# Altium PCB SmartDoor.PcbDoc
Units mm, origin at the board's own origin, x right, y up, seen from the top; angles counter-clockwise.
Board outline 149.99 x 97.41 mm, 2 copper layers (Top Layer, Bottom Layer), stack 1.57 mm thick; 54 components, 48 nets, 194 pads, 14 vias.
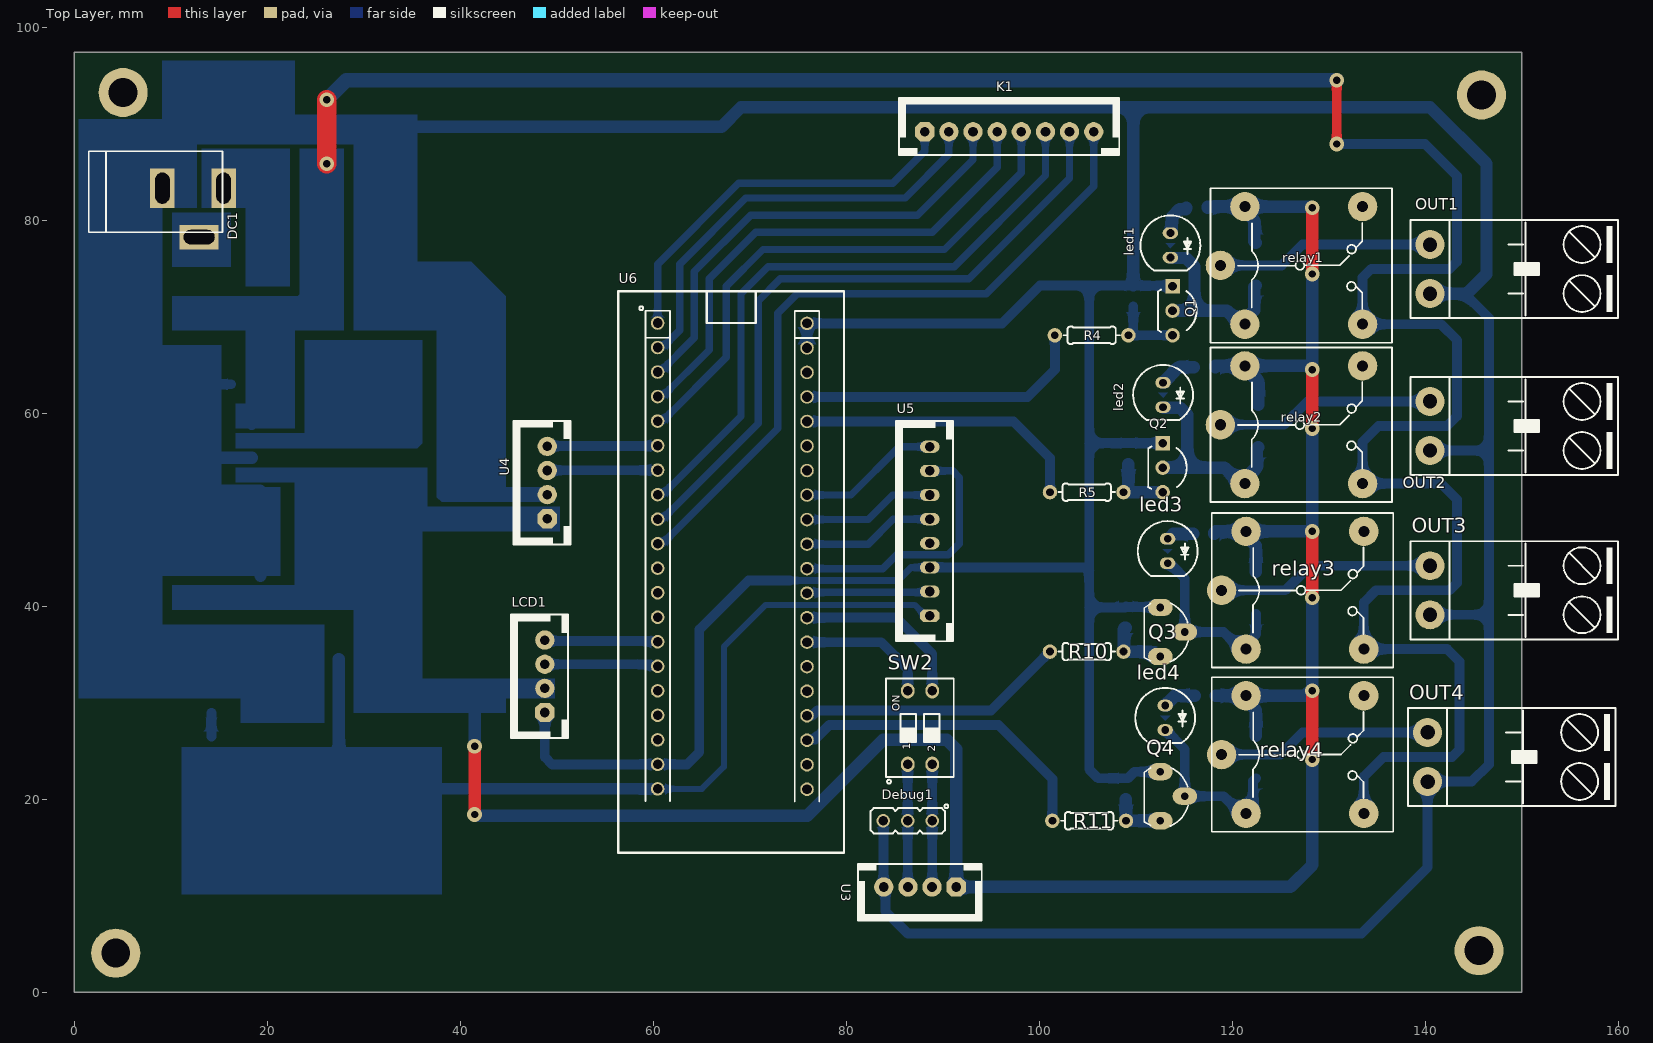
[diagram p0: Top Layer view]
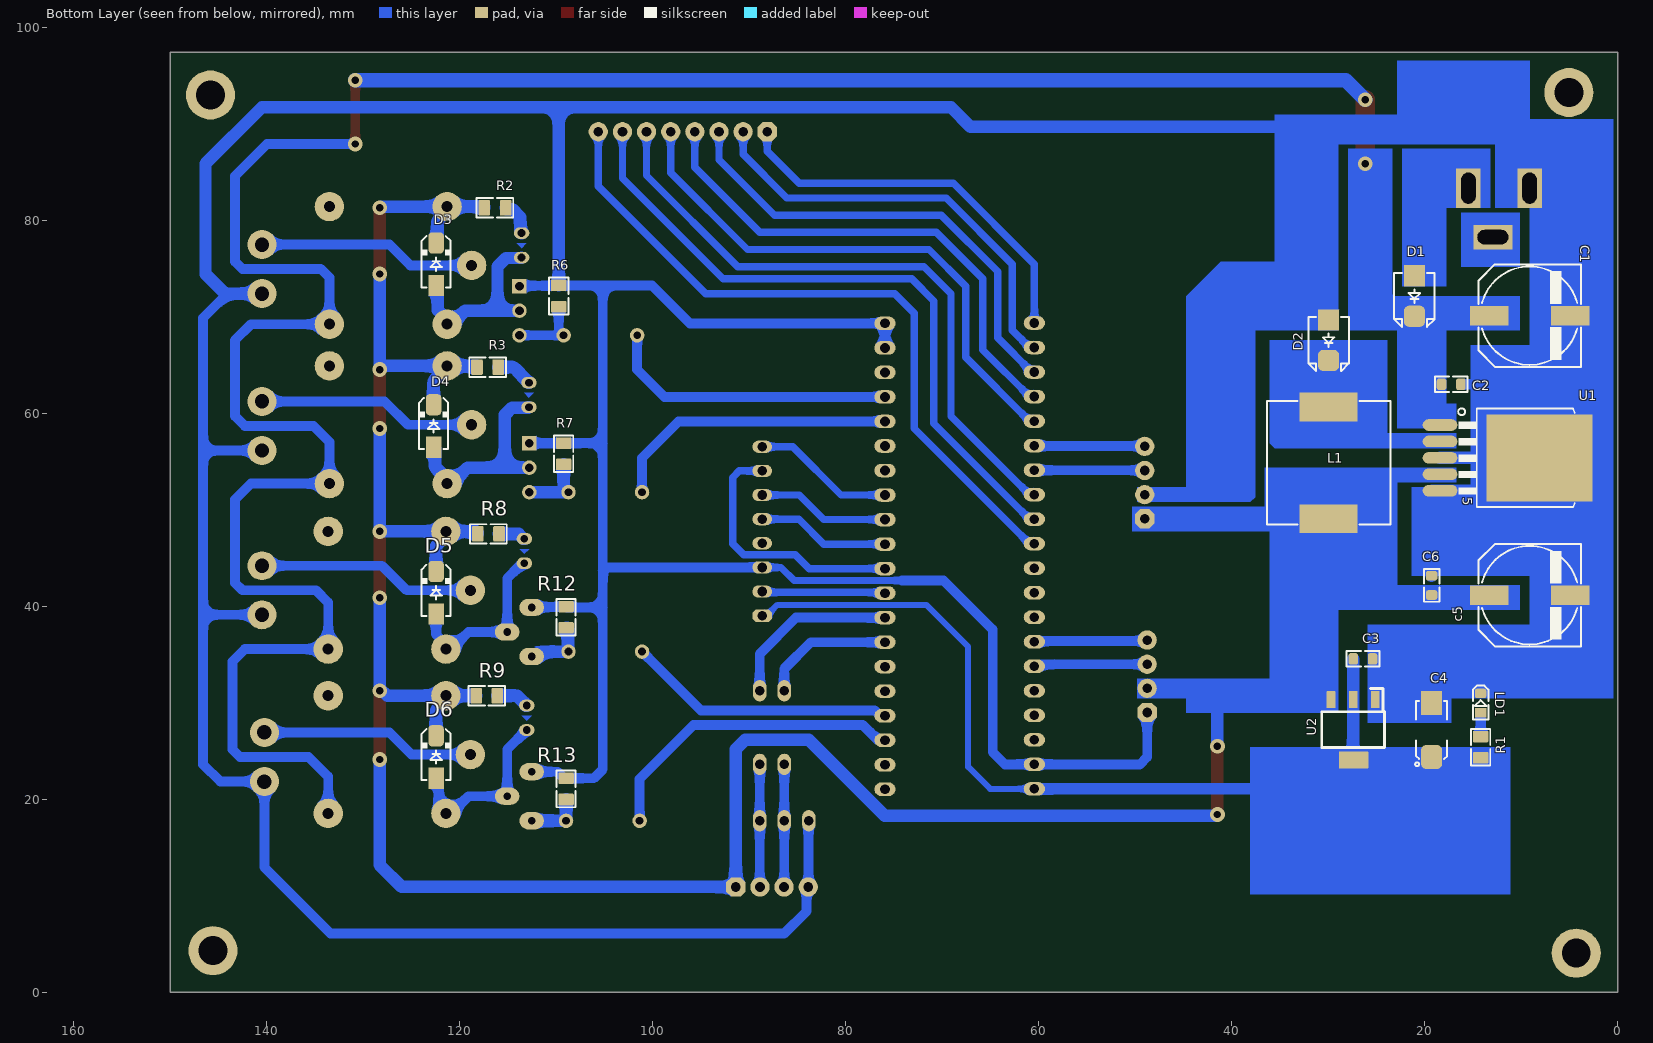
[diagram p1: Bottom Layer view, seen from below]

## Layer stack, top to bottom
Top Solder: solder mask 0.0102, Solder Resist, Dk 3.5
Top Layer: signal copper 0.0356
Dielectric 1: core 1.4986, Core-043, Dk 4.3
Bottom Layer: signal copper 0.0356
Bottom Solder: solder mask 0.0102, Solder Resist, Dk 3.5

## Board outline
0,0 0,97.409 149.987,97.409 149.987,0

## Design rules (kind name [scope] priority, off if disabled: settings)
Clearance [All] p1: gap=0.152 ignorepadtopadclearanceinfootprint=FALSE
PolygonConnect [All] p1: connectstyle=Relief reliefconductorwidth=0.254 reliefentries=4 polygonreliefangle="90 Angle" airgapwidth=0.254
RoomDefinition SmartDoor [InComponentClass('SmartDoor')] p1: confinementstyle=ConfineIn formatcopy=TRUE lockcomponents=FALSE outline 151.13,1.778 175.26,1.778 175.26,62.992 151.13,62.992
RoutingVias [All] p1: holewidth=0.762 width=1.524 viastyle="Through Hole" minholewidth=0.762 minwidth=1.524 maxholewidth=0.762 maxwidth=1.524
SolderMaskExpansion [All] p1: expansion=0.102 istentingtop=FALSE
Width [All] p1: maxlimit=2.54 minlimit=0.508 preferedwidth=0.762
30 further rules are at their usual default settings.

## Components (designator, comment, footprint, x,y, rotation, side; value= is the part's Value field where it differs from the comment)
C1 "1000uF-50V-DIP" C_EL_10_12 9.144,70.104 r180 bottom value=1000uF/50V
C2 "100nF-50V-126" C0805S 17.272,62.992 r180 bottom value=100nF
C3 "0.1uF" C0805S 26.416,34.544 r0 bottom value=100nF
C4 "Tanta-47uF-16V-2917" 6032 19.304,27.184 r90 bottom value=47uF/16V
c5 "10uf" C_EL_10_9 9.144,41.148 r180 bottom
C6 "104" C0805S 19.304,42.164 r270 bottom value=0.1uF
D1 "SS34B" D_SMB 21.082,72.136 r270 bottom
D2 "SS34B" D_SMB 29.972,67.564 r270 bottom
D3 "diode" D_SMA 122.428,75.438 r90 bottom
D4 "diode" D_SMA 122.682,58.674 r90 bottom
D5 "diode" D_SMA 122.428,41.402 r90 bottom
D6 "diode" D_SMA 122.428,24.384 r90 bottom
DC1 "Jack DC5.5x2.5MM DC5525" DC-IN 12.319,80.772 r0 top value="Jac DC"
Debug1 "Header 3" HDR_M_1X3 86.36,17.78 r180 top
K1 "keypad4x4" XH_8#1 96.874,89.154 r0 top
L1 "100uF" L_12 29.972,54.864 r270 bottom value="150 mH"
LCD1 "LCDi2C" XH_4 48.768,32.746 r90 top
LD1 "led 0805 green" LED0805GRN 14.224,29.972 r90 bottom
led1 "led" "led 5mm red dip" 113.538,77.47 r270 top
led2 "led" "led 5mm red dip" 112.776,61.976 r270 top
led3 "led" "led 5mm red dip" 113.251,45.802 r270 top
led4 "led" "led 5mm red dip" 112.997,28.53 r270 top
OUT1 "con2" MSTBF_2 140.462,74.93 r270 top
OUT2 "con2" MSTBF_2 140.462,58.674 r270 top
OUT3 "con2" MSTBF_2 140.462,41.656 r270 top
OUT4 "con2" MSTBF_2 140.208,24.384 r270 top
Q1 "C1815" TO-92W 113.792,70.612 r180 top
Q2 "C1815" TO-92W 112.776,54.356 r180 top
Q3 "C1815" TO-92B 112.522,37.338 r270 top
Q4 "C1815" TO-92B 112.522,20.32 r270 top
R1 "330R" R0805E 14.224,25.4 r270 bottom value="R1/4W - 1K"
R2 "1k" R0805E 116.332,81.28 r180 bottom value="R1/4W - 1K"
R3 "1k" R0805E 117.094,64.77 r180 bottom value="R1/4W - 1K"
R4 "200" R0125W_AX03 105.41,68.072 r180 top value="R1/4W - 1K"
R5 "200" R0125W_AX03 104.902,51.816 r180 top value="R1/4W - 1K"
R6 "10K" R0805E 109.728,72.136 r90 bottom value="R1/4W - 1K"
R7 "10K" R0805E 109.22,55.796 r90 bottom value="R1/4W - 1K"
R8 "1k" R0805E 117.01,47.498 r180 bottom value="R1/4W - 1K"
R9 "1k" R0805E 117.178,30.734 r180 bottom value="R1/4W - 1K"
R10 "200" R0125W_AX03 104.902,35.306 r180 top value="R1/4W - 1K"
R11 "200" R0125W_AX03 105.156,17.78 r180 top value="R1/4W - 1K"
R12 "10K" R0805E 108.966,38.862 r90 bottom value="R1/4W - 1K"
R13 "10K" R0805E 108.966,21.082 r90 bottom value="R1/4W - 1K"
relay1 "relay2" RL_SPDT_10A 118.745,75.311 r0 top
relay2 "relay2" RL_SPDT_10A 118.745,58.801 r0 top
relay3 "relay2" RL_SPDT_10A 118.872,41.656 r0 top
relay4 "relay2" RL_SPDT_10A 118.872,24.638 r0 top
SW2 "" SW2_DIP 87.63,27.432 r90 top
U1 "LM2576 5v" "TO-263-5L, D2PAK-5, DDPAK, FMG170_5_S1000" 18.428,55.372 r270 bottom
U2 "AMS1117 3.3V" ASM1117-3V3 27.432,26.924 r0 bottom
U3 "SIM900A" XH_4 87.63,10.922 r180 top
U4 "AS608" XH_4 49.022,52.812 r90 top
U5 "Module RC522" XH_8#2 88.646,47.772 r90 top
U6 "KIT_stm32f103c8t6" KIT_stm32f103 60.452,69.342 r0 top

## Footprints (in the part's own frame and the unit in brackets; to place one, negate y for a bottom-side part, rotate by r counter-clockwise, add the part's x,y. Pads: shape width x height; smd on the part's side, far side on the other; paste and mask are expansions set on the pad)
6032 [mm] "CAPACITOR, TAN C, TAN F, TAN U, TAN L, 6032P, 6.0X3.2mm"
  rrect50% 2.5x2.2 smd: 1(-2.8,0)
  rect 2.5x2.2 smd: 2(2.8,0)
  Top Layer pour cut-out: -2.032,1.6 2.032,1.6 2.032,-1.6 -2.032,-1.6
  silkscreen extent -3.75,-1.6 3,1.7, body extent -3.15,-1.75 3.15,1.75, height 2.8
ASM1117-3V3 [mm] "pin to pin 2.29mm"
  rrect10% 0.9x1.75 smd mask+0.1: 1(-2.29,-3.403) 2(0,-3.403) 3(2.29,-3.403)
  rrect10% 3.05x1.75 smd mask+0.1: 2(-0.05,2.85)
  silkscreen extent -3.25,-4.54 3.25,1.55, body extent -3.25,-3.7 3.25,3.3, height 1.85
C0805S [mm] "CHIP Capacitor, 2.0X1.3mm, 0805, soldered"
  rrect50% 1x1.2 smd mask+0.075: 1(-1,0) 2(1,0)
  Top Layer pour cut-out: -0.5,0.8 0.5,0.8 0.5,-0.8 -0.5,-0.8
  silkscreen extent -1.7,-0.8 1.7,0.8, body extent -1.4,-0.63 1.4,0.63, height 0.8
C_EL_10_9 [mm] "Electrolytic Cap, 10.3mm, L: 8.7mm"
  rect 4x2 smd: 1(-4.2,0) 2(4.2,0)
  Top Layer pour cut-out: -3.556,5.08 -3.556,-5.08 3.556,-5.08 3.556,5.08
  silkscreen extent -5.3,-5.3 5.3,5.3, body extent -5.5,-5.15 5.5,5.15
C_EL_10_12 [mm] "Electrolytic Cap, 10.3mm, L: 12.4mm"
  rect 4x2 smd: 1(-4.2,0) 2(4.2,0)
  Top Layer pour cut-out: -3.556,5.08 -3.556,-5.08 3.556,-5.08 3.556,5.08
  silkscreen extent -5.3,-5.3 5.3,5.3, body extent -5.5,-5.15 5.5,5.15, height 12.45
D_SMA [mm] "SMA Molded Diode, 2-Leads, Body 4.3x2.7mm, SOD-128"
  rect 2.2x1.6 smd: 1(-2.2,0)
  rrect50% 2.2x1.6 smd: 2(2.2,0)
  silkscreen extent -2.4,-1.5 2.9,1.5, body extent -2.75,-1.4 2.75,1.4, height 2.6
D_SMB [mm] "SMB Molded Diode, 2-Leads, Body 4.3x3.5mm"
  rect 2.2x2.2 smd: 1(-2.1,0)
  rrect50% 2.2x2.2 smd: 2(2.1,0)
  Top Layer pour cut-out: -1.524,2.1 -1.524,-2.1 1.524,-2.1 1.524,2.1
  silkscreen extent -2.4,-2.1 3.2,2.1, body extent -2.75,-1.95 2.75,1.95, height 2.45
DC-IN [mm]
  rect 2.54x4.064 hole 1.5 slot 3.2 at 90 deg: 1(3.175,2.54) 2(-3.175,2.54)
  rect 4.064x2.54 hole 1.5 slot 3.2 at 0 deg: 3(0.635,-2.54)
  silkscreen extent -10.79,-2.03 3.05,6.35, body extent -10.42,-2.67 3.4,6.84, height 11.02
HDR_M_1X3 [mm] "Connector; Header; 3 Position"
  round 1.4 / inner round 1.4 / far side oval 1.4x2.2 hole 1 mask+0.1: 1(-2.54,0) 2(0,0) 3(2.54,0)
  silkscreen extent -4.2,-1.7 3.84,1.3, body extent -3.78,-1.27 3.84,1.27, height 8.54
KIT_stm32f103 [mm]
  round 1.4 / inner round 1.4 / far side oval 2.2x1.4 hole 1: 1(0,0) 2(0,-2.54) 3(0,-5.08) 4(0,-7.62) 5(0,-10.16) 6(0,-12.7) 7(0,-15.24) 8(0,-17.78) 9(0,-20.32) 10(0,-22.86) 11(0,-25.4) 12(0,-27.94) 13(0,-30.48) 14(0,-33.02) 15(0,-35.56) 16(0,-38.1) 17(0,-40.64) 18(0,-43.18) 19(0,-45.72) 20(0,-48.26) 21(15.474,-48.302) 22(15.474,-45.762) 23(15.474,-43.222) 24(15.474,-40.682) 25(15.474,-38.142) 26(15.474,-35.602) 27(15.474,-33.062) 28(15.474,-30.522) 29(15.474,-27.982) 30(15.474,-25.442) 31(15.474,-22.902) 32(15.474,-20.362) 33(15.474,-17.822) 34(15.474,-15.282) 35(15.474,-12.742) 36(15.474,-10.202) 37(15.474,-7.662) 38(15.474,-5.122) 39(15.474,-2.582) 40(15.474,-0.042)
  silkscreen extent -4.06,-54.86 19.3,3.3, body extent -3.88,-54.75 19.12,3.05, height 19.26
L_12 [mm] "INDUCTOR, 13.5x12.5mm, DR125, CDRH127, D128C 931AS"
  rect 3x6 smd: 1(-5.8,0) 2(5.8,0)
  Top Layer pour cut-out: -4.699,6.096 4.953,6.096 4.953,-6.096 -4.699,-6.096
  silkscreen extent -6.4,-6.4 6.4,6.4, body extent -6.16,-6.15 6.16,6.15, height 8.16
LED0805GRN [mm] "LED SMD 0805, GREEN"
  rect 1x1.2 smd mask+0.075: 1(-1,0)
  rrect50% 1x1.2 smd mask+0.075: 2(1,0)
  Top Layer pour cut-out: -0.5,0.8 0.5,0.8 0.5,-0.8 -0.5,-0.8
  silkscreen extent -1.7,-0.8 1.8,0.8, body extent -1,-0.63 1,0.63, height 0.7
"led 5mm red dip" [mm]
  oval 1.2x1.6 hole 0.8: 1(-1.188,0.033) 2(1.352,0.033)
  Bottom Layer region: -0.118,0.533 -0.118,-0.467 0.382,0.033
  silkscreen extent -3.02,-3.07 2.68,3.13, body extent -2.92,-2.97 2.58,3.03, height 9.14
MSTBF_2 [mm] "PHOENIX MSTB 2, 5-G, 5.08mm pitch, 2pin"
  round 3 hole 1.5: 1(-2.54,0) 2(2.54,0)
  silkscreen extent -5.08,-2.03 5.08,19.47, body extent -5,-2 5,19.2, height 15
R0125W_AX03 [mm] "RESISTOR 1/8 WATT, AXIAL0.3 INCH SPACING"
  round 1.5 hole 0.8: 1(-3.81,0) 2(3.81,0)
  silkscreen extent -2.92,-0.9 2.92,0.9, body extent -4.16,-0.85 4.16,0.85, height 1.85
R0805E [mm] "CHIP RESISTOR 1/8 WATT ,2.0X1.3mm, 0805, EXPANDED PAD"
  rrect20% 1.2x1.6 smd mask+0.1: 1(-1.1,0) 2(1.1,0)
  Top Layer pour cut-out: -0.5,0.8 0.5,0.8 0.5,-0.8 -0.5,-0.8
  silkscreen extent -1.9,-1 1.9,1, body extent -1.15,-0.67 1.15,0.67, height 0.76
RL_SPDT_10A [mil] "Relay SPDT, 5 pin, 10A,W 650mil, L 800mil, H 800mil"
  round 120 hole 45: 1(0,0) 2(580,240) 3(580,-240) 4(100,-240) 5(100,240)
  silkscreen extent -40,-315 700,315, body extent -40,-315 700,315, height 630
SW2_DIP [mm] "SWITCH DIP 2POS, THD, 2.54mm, SD02"
  oval 1.6x1.4 / inner round 1.4 / far side oval 2.2x1.4 hole 1: 1(-3.81,1.27) 2(-3.81,-1.27) 3(3.81,-1.27) 4(3.81,1.27)
  silkscreen extent -5.8,-3.5 5.1,3.5, body extent -4.7,-3.45 4.7,3.45, height 5
TO-92B [mil] "TO-92"
  oval 70x100 hole 32: 1(-100,0) 2(0,100) 3(100,0)
  silkscreen extent -117,-65 121,114
TO-92W [mm] "TO, Flat Index; 3 In-Line, Axial Leads (Wide Pitch); Body Dia. 4.7mm; Leads 0.56 x 0.51 mm (max)"
  rect 1.5x1.5 hole 0.9: 1(0,-2.54)
  round 1.5 hole 0.9: 2(0,0) 3(0,2.54)
  silkscreen extent -2.49,-2.19 1.51,2.19, body extent -2.57,-2.79 1.56,2.79, height 8.33
"TO-263-5L, D2PAK-5, DDPAK, FMG170_5_S1000" [mm] "TO-263-5L, D2PAK-5, DDPAK, FMG170_5_S1000"
  oval 1.2x3.6 smd: 1(-3.404,0) 2(-1.702,0) 3(0,0) 4(1.702,0) 5(3.404,0)
  rect 9x11 smd: 6(0,10.3)
  silkscreen extent -5.14,1.88 5.1,13.96, body extent -5.08,-0.84 5.08,13.39, height 4.87
XH_4 [mm] "PW10-xx-M, JST-BxB-XH-A pitch: 2.5mm"
  oct 2x2 hole 1: 1(-3.75,0)
  round 2 hole 1: 2(-1.25,0) 3(1.25,0) 4(3.75,0)
  silkscreen extent -6.4,-2.4 6.4,3.5, body extent -6.25,-2.3 6.25,3.4, height 7
XH_8#1 [mm] "PW10-xx-M, JST-BxB-XH-A pitch: 2.5mm"
  oct 2x2 hole 1: 1(-8.75,0)
  round 2 hole 1: 2(-6.25,0) 3(-3.75,0) 4(-1.25,0) 5(1.25,0) 6(3.75,0) 7(6.25,0) 8(8.75,0)
  silkscreen extent -11.4,-2.4 11.4,3.5, body extent -11.3,-2.3 11.3,3.4, height 7
XH_8#2 [mm] "PW10-xx-M, JST-BxB-XH-A pitch: 2.5mm"
  oct 1.27x2.032 hole 1: 1(-8.75,0)
  oval 1.27x2.032 hole 1: 2(-6.25,0) 3(-3.75,0) 4(-1.25,0) 5(1.25,0) 6(3.75,0) 7(6.25,0) 8(8.75,0)
  silkscreen extent -11.4,-2.4 11.4,3.5, body extent -11.3,-2.3 11.3,3.4, height 7

## Part data
C1 C4: library part "Cap Pol1", "Polarized Capacitor (Radial)", LatestRevisionDate=17-Jul-2002, LatestRevisionNote="Re-released for DXP Platform.", PackageReference=RB7.6-15, Published=8-Jun-2000, Publisher="Altium Limited"
C2: library part Cap, "Capacitor", LatestRevisionDate=17-Jul-2002, LatestRevisionNote="Re-released for DXP Platform.", PackageReference=RAD-0.3, Published=8-Jun-2000, Publisher="Altium Limited"
C3: library part C0402, "Capacitor, Ceramic Chip, 16V, X7R, 10%", Manufacturer="Samsung Electromechanics", PartNumber=CL05B104KO5NNNC, Area=2800, ComponentHeight=0.022, ComponentLink1Description="AEO Datasheet Link", PackageReference=0402, SymbolVersion="07/31/2009 12:17:27"
c5: library part radial
C6: library part "Cap 104_SMD", "Capacitor (Semiconductor SIM Model)", LatestRevisionDate=17-Jul-2002, LatestRevisionNote="Re-released for DXP Platform.", PackageReference=C1206, Published=8-Jun-2000, Publisher="Altium Limited"
D1 D2: library part diode
DC1: library part DCIN, "Jac DC input"
Debug1: "Header, 3-Pin", LatestRevisionDate=17-Jul-2002, LatestRevisionNote="Re-released for DXP Platform.", Publisher="Altium Limited"
K1: library part keypad
L1: library part L1, "Inductor"
LD1: library part led
R1 R2 R3 R4 R5 R6 R7 R8 R9 R10 R11 R12 R13: library part R, "Resistor 1/4W"
SW2: library part SWDIP2, "WS-DITV 2.54 mm small compact THT flat actuator with top tape", Manufacturer="Wurth Elektronik", Part No.=418127160902, ComponentLink1 Description=Manufacturer, ComponentLink1URL=http://www.we-online.com, ComponentLink2 Description=Datasheet, ComponentLink2URL=http://katalog.we-online.de/em/datasheet/4181271609xx.pdf, Created by="Baojun Chen", Created Date=Dec.2015, Pole=02
U1: library part LM2576T-5.0, "SIMPLE SWITCHER; 3A Step-Down Voltage Regulator", DigiKeyPartNumber=LM2576T-5.0-ND, Manufacturer="National Semiconductor", PackageTopMarking="NSUZXYTT*LM2576T*-5.0 P+", PowerWise=N, Code_JEDEC=TO-220-AB, ComponentLink1Description="LM2576 Datasheet", ComponentLink1URL=http://www.national.com/ds/LM/LM2576.pdf, ComponentLink2Description="LM2576 Web Page", ComponentLink2URL=http://www.national.com/pf/LM/LM2576.html, ComponentLink3Description="T05A Package Page", ComponentLink3URL=http://www.national.com/packaging/folders/t05a.html, CompType=Switcher, DatasheetVersion=Aug-2004, FirstPublished=4-Dec-2008, PackageDescription="TO-220, Molded, 5 Lead, Straight", PackageReference=T05A, PackageVersion="revJ, Jan-1992", PartNumber=LM2576T-5.0, PinCount=5, Publisher="Altium Limited", RoHS=O
U2: library part AMS1117
U4: library part R307

## Free pads (board coordinates)
  round 5.08 hole 3: 4(5.08,93.218) 5(4.318,4.064) 6(145.796,92.964) 7(145.542,4.318)

## Via types
v1: diameter 1.524, hole 0.762, Top Layer to Bottom Layer, 14 vias

## Nets (pads, with @x,y where several pads share a name; then routed paths per layer and width w, separated by ;. In a path a pad name is that pad's centre, name@x,y a point inside that pad or via, vN(x,y) a via of type N, cw(c..) or ccw(c..) an arc to the next point about the centre after c; other vN are vias at no path point)
3V3: C3.2 C4.1 R1.2 U2.2 U5.1 U6.20 | length 101.6
  Bottom Layer w0.635: U6.20 65.024,21.082 67.31,23.368 67.31,35.814 71.628,40.132 87.075,40.132 88.185,39.022 U5.1
  Bottom Layer w0.762: R1.2 C4.1@20.328,24.3 ; 20.554,24.074 27.382,24.074 U2.2@27.432,24.124 ; C3.2 C3.2@27.432,34.528
  Bottom Layer w1.2: U2.2@27.382,24.074 32.568,24.074 35.56,21.082 U6.20
  Bottom Layer w1.27: U2.2@27.432,24.124 27.432,30.327 C3.2@27.432,34.528
5V: c5.1 C6.2 D3.2 D4.2 D5.2 D6.2 L1.2 LCD1.2 R2.1 R3.1 R8.1 R9.1 relay1.5 relay2.5 relay3.5 relay4.5 U1.4 U2.3 U3.1 U4.1 | length 333.1
  Top Layer w1.3: v1(41.491,18.435) v1(41.491,25.489) ; v1(128.27,24.13) v1(128.27,31.242) ; v1(128.27,40.894) v1(128.27,47.752) ; v1(128.27,58.42) v1(128.27,64.516) ; v1(128.27,74.422) v1(128.27,81.28)
  Bottom Layer w1.3: c5.1 19.288,41.148 C6.2 29.972,41.164 ; U1.4 23.866,53.67 28.472,49.064 L1.2 ; U2.3 29.922,30.526 29.922,31.189 29.972,31.239 ; v1(41.491,18.435) 41.552,18.435 41.699,18.288 75.946,18.288 83.82,26.162 90.424,26.162 91.38,25.206 U3.1 125.984,10.922 128.27,13.208 v1(128.27,24.13) ; v1(41.491,25.489) 41.491,31.496 ; LCD1.2 30.229,31.496 29.972,31.239 ; U4.1 U4.1 29.973,49.063 L1.2 ; R2.1 117.432,81.357 117.482,81.407 relay1.5 ; R8.1 118.11,47.598 118.264,47.752 relay3.5 ; R3.1 118.194,64.847 118.244,64.897 relay2.5 ; R9.1 relay4.5 ; D6.2 122.428,29.245 121.412,30.261 relay4.5 ; D5.2 122.428,46.263 121.412,47.279 relay3.5 ; D3.2 122.278,77.788 122.278,79.941 121.285,80.934 relay1.5 ; D4.2 122.682,63.328 121.285,64.725 relay2.5 ; v1@128.143,64.897 relay2.5 ; v1(128.27,40.894) 128.27,31.496 127.508,30.734 relay4.5 ; v1(128.27,58.42) v1(128.27,47.752) relay3.5 ; v1(128.27,64.516) v1(128.27,74.422) ; v1(128.27,81.28) 128.209,81.28 128.082,81.407 relay1.5 ; 29.972,31.239 29.972,41.164 ; 29.972,41.164 L1.2
12V: C1.1 C2.1 D1.2 relay1.3 relay2.3 relay3.3 relay4.3 U1.1 | length 297.8
  Top Layer w1.016: v1(130.81,87.884) v1(130.81,94.488)
  Top Layer w2: v1(26.162,85.852) v1(26.162,92.456)
  Bottom Layer w1.016: C2.1 18.272,69.834 18.542,70.104 ; C2.1@18.28,62.9 18.288,62.892 18.288,58.861 18.373,58.776 U1.1 ; v1(130.81,87.884) 139.954,87.884 143.256,84.582 143.256,75.692 142.494,74.93 134.366,74.93 133.477,74.041 133.477,69.469 133.35,69.342 relay1.3 141.605,69.215 143.256,67.564 143.256,59.69 142.24,58.674 135.128,58.674 133.477,57.023 relay2.3 141.605,52.705 143.256,51.054 143.256,42.418 142.494,41.656 134.874,41.656 133.604,40.386 relay3.3 142.24,35.56 143.51,34.29 143.51,25.146 142.748,24.384 135.636,24.384 133.604,22.352 relay4.3
  Bottom Layer w1.524: v1(26.162,92.456) 28.194,94.488 v1(130.81,94.488)
  Bottom Layer w2: C1.1 18.542,70.104 20.964,70.104 D1.2@21.082,70.222 ; D1.2 21.182,70.136 23.654,70.136 26.162,72.644 v1(26.162,85.852)
C1: K1.5 U6.5 | length 56.9
  Bottom Layer w0.762: U6.5 60.96,59.182 67.564,65.786 67.564,73.152 71.374,76.962 90.17,76.962 98.124,84.916 K1.5
C2: K1.6 U6.8 | length 65.8
  Bottom Layer w0.762: U6.8 60.96,51.562 69.088,59.69 69.088,72.39 71.882,75.184 91.186,75.184 100.624,84.622 K1.6
C3: K1.7 U6.9 | length 69.6
  Bottom Layer w0.762: U6.9 60.96,49.022 70.866,58.928 70.866,71.628 73.152,73.914 92.71,73.914 103.124,84.328 K1.7
C4: K1.8 U6.10 | length 73.1
  Bottom Layer w0.762: U6.10 60.96,46.482 72.898,58.42 72.898,70.358 74.93,72.39 94.488,72.39 105.624,83.526 K1.8
COI: R5.2 U6.36 | length 30.3
  Bottom Layer w1.016: U6.36 97.324,59.14 101.092,55.372 R5.2
DP1: R10.2 U6.24 | length 27.9
  Bottom Layer w1.016: U6.24 76.43,28.66 76.98,29.21 94.996,29.21 R10.2
DP2: R11.2 U6.23 | length 32.7
  Bottom Layer w1.016: U6.23 75.999,26.194 76.74,26.194 78.232,27.686 95.758,27.686 101.346,22.098 R11.2
GND: C1.2 C2.2 C3.1 C4.2 c5.2 C6.1 D2.1 DC1.2 Debug1.3 LCD1.1 LD1.2 OUT1.2 OUT2.2 OUT3.2 OUT4.2 Q1.1 Q2.1 Q3.1 Q4.1 R6.2 R7.2 R12.2 R13.2 U1.3 U1.5 U1.6 U2.1 U3.4 U4.2 U5.3 U6.19 U6.39 U6.40 | length 705.1
  Bottom Layer w0.762: 74.168,42.672 75.01,42.672 75.015,42.667 85.339,42.667 86.694,44.022 U5.3
  Bottom Layer w1.016: c5.2 4.944,33.156 7.128,30.972 LD1.2 18.466,30.972 19.304,30.134 C4.2 19.475,30.155 25.084,30.155 25.084,30.578 25.146,30.64 25.146,34.19 25.416,34.46 C3.1 ; 4.944,62.992 C2.2 ; LCD1.1 48.768,24.384 49.53,23.622 U6.19 63.5,23.622 64.77,24.892 64.77,37.592 69.85,42.672 74.168,42.672 ; U6.39 U6.40 96.14,69.3 100.076,73.236 105.156,73.236 ; Debug1.3 83.85,17.75 83.85,10.952 U3.4 84.058,10.744 84.058,8.398 86.36,6.096 133.35,6.096 140.208,12.954 OUT4.2 144.78,21.844 146.558,23.622 146.558,39.116 ; U5.3 104.822,44.022 105.156,43.688 ; Q4.1 109.844,22.86 109.166,22.182 R13.2 106.088,22.182 105.156,23.114 105.156,39.878 ; Q3.1 112.48,39.92 109.008,39.92 R12.2 108.882,39.878 105.156,39.878 ; Q2.1 R7.2 105.156,56.896 ; Q1.1 113.75,73.194 109.77,73.194 R6.2 105.156,73.236 ; OUT3.2 146.558,39.116 ; OUT2.2 146.558,56.134 ; 144.018,72.39 146.558,69.85 146.558,56.134 ; 105.156,39.878 105.156,43.688 ; 105.156,43.688 105.156,56.896 ; 105.156,56.896 105.156,73.236 ; 146.558,39.116 146.558,56.134
  Bottom Layer w1.27: c5.2 4.944,52.188 U1.6 ; DC1.2 4.944,83.312 ; U1.3 U1.6 ; C6.1 19.304,51.933 19.269,51.968 U1.5 11.532,51.968 U1.6 ; D2.1@29.972,69.471 29.972,89.662 ; D2.1 38.286,69.664 41.402,66.548 41.402,53.848 43.688,51.562 U4.2 ; R6.2 109.728,91.694 ; OUT1.2 144.018,72.39 144.29,72.39 146.304,74.404 146.304,85.852 140.462,91.694 109.728,91.694 ; 4.944,83.312 4.944,84.954 9.652,89.662 29.972,89.662 ; 4.944,83.312 C1.2 4.944,62.992 4.944,58.556 U1.6 ; 29.972,89.662 67.056,89.662 69.088,91.694 109.728,91.694
KHOA: R4.2 U6.37 | length 30.4
  Bottom Layer w1.016: U6.37 98.764,61.68 101.6,64.516 R4.2
NetD1_1: D1.1 DC1.1 | length 14.1
  Bottom Layer w1.524: DC1.1 20.066,83.312 21.082,82.296 D1.1
NetD2_2: D2.2 L1.1 U1.2 | length 17.8
  Bottom Layer w1.27: U1.2 24.882,57.074 28.472,60.664 L1.1 D2.2
NetD3_1: D3.1 led1.2 Q1.2 relay1.4 | length 20
  Bottom Layer w1.27: led1.2 113.606,76.083 115.179,76.083 116.078,75.184 116.078,70.612 ; Q1.2 116.078,70.612 ; D3.1 122.263,73.073 122.263,70.674 121.285,69.696 relay1.4 120.804,69.215 119.407,70.612 116.078,70.612
NetD4_1: D4.1 led2.2 Q2.2 relay2.4 | length 21.8
  Bottom Layer w1.3: Q2.2 115.316,54.356 ; led2.2 112.859,60.574 114.554,60.574 115.316,59.812 115.316,54.356 ; D4.1 122.532,56.324 122.532,54.425 121.285,53.178 relay2.4 120.812,52.705 119.161,54.356 115.316,54.356
NetD5_1: D5.1 led3.2 Q3.2 relay3.4 | length 19.1
  Bottom Layer w1.016: led3.2 113.484,44.45 115.062,42.872 Q3.2 119.084,37.338 120.862,35.56 relay3.4 121.412,36.078 122.428,37.094 D5.1
NetD6_1: D6.1 led4.2 Q4.2 relay4.4 | length 18.9
  Bottom Layer w1.016: led4.2 113.18,27.178 113.265,27.093 113.265,26.943 115.062,25.146 Q4.2 119.084,20.32 120.862,18.542 relay4.4 121.412,19.092 122.136,19.816 122.136,21.892 D6.1
NetLD1_1: LD1.1 R1.1 | length 2.5
  Bottom Layer w1.016: R1.1 LD1.1
Netled1_1: led1.1 R2.2 | length 3.7
  Bottom Layer w1.3: led1.1 113.621,78.708 113.721,78.708 113.721,80.318 114.532,81.13 115.182,81.13 115.182,81.23 R2.2
Netled2_1: led2.1 R3.2 | length 3.9
  Bottom Layer w1.3: led2.1 112.859,63.214 112.959,63.214 112.959,63.314 114.415,64.77 R3.2
Netled3_1: led3.1 R8.2 | length 2.8
  Bottom Layer w1.3: led3.1 113.384,46.99 113.892,47.498 R8.2
Netled4_1: led4.1 R9.2 | length 3.5
  Bottom Layer w1.3: led4.1 113.13,29.718 113.18,29.768 113.18,29.868 114.046,30.734 R9.2
NetOUT1_1: OUT1.1 relay1.1 | length 22.6
  Bottom Layer w1.016: relay1.1 125.095,75.311 127.254,77.47 OUT1.1
NetOUT2_1: OUT2.1 relay2.1 | length 22.7
  Bottom Layer w1.016: relay2.1 125.349,58.801 127.762,61.214 OUT2.1
NetOUT3_1: OUT3.1 relay3.1 | length 22.6
  Bottom Layer w1.016: relay3.1 125.476,41.656 128.016,44.196 OUT3.1
NetOUT4_1: OUT4.1 relay4.1 | length 22.3
  Bottom Layer w1.016: relay4.1 124.968,24.638 127.254,26.924 OUT4.1
NetQ1_3: Q1.3 R4.1 R6.1 | length 7.7
  Bottom Layer w1.016: R6.1 109.728,68.711 109.22,68.203 R4.1 Q1.3
NetQ2_3: Q2.3 R5.1 R7.1 | length 7.2
  Bottom Layer w1.3: R7.1 109.22,52.378 108.712,51.87 R5.1 Q2.3
NetQ3_3: Q3.3 R10.1 R12.1 | length 6.6
  Bottom Layer w1.3: R12.1 108.866,37.762 108.816,37.712 108.816,37.612 108.75,37.546 108.75,35.344 R10.1 111.504,35.306 112.012,34.798 Q3.3
NetQ4_3: Q4.3 R11.1 R13.1 | length 5.8
  Bottom Layer w1.3: R13.1 R11.1 Q4.3
NetSW2_3: SW2.3 U6.28 | length 18.3
  Bottom Layer w1.016: U6.28 85.132,38.82 88.9,35.052 SW2.3
NetSW2_4: SW2.4 U6.27 | length 13.9
  Bottom Layer w1.016: U6.27 83.608,36.28 86.36,33.528 SW2.4
R1: K1.1 U6.1 | length 40.6
  Bottom Layer w0.762: U6.1 60.452,75.438 68.834,83.82 84.808,83.82 88.124,87.136 K1.1
R2: K1.2 U6.2 | length 44.8
  Bottom Layer w0.762: U6.2 60.96,66.802 62.738,68.58 62.738,75.438 69.596,82.296 86.106,82.296 90.624,86.814 K1.2
R3: K1.3 U6.3 | length 48.7
  Bottom Layer w0.762: U6.3 60.706,64.262 64.262,67.818 64.262,74.676 70.104,80.518 87.376,80.518 93.124,86.266 K1.3
R4: K1.4 U6.4 | length 53
  Bottom Layer w0.762: U6.4 60.96,61.722 65.786,66.548 65.786,73.914 70.612,78.74 88.9,78.74 95.624,85.464 K1.4
RC522_MISO: U5.5 U6.31 | length 13.8
  Bottom Layer w0.762: U6.31 82.254,46.44 84.836,49.022 U5.5
RC522_MOSI: U5.6 U6.32 | length 13.8
  Bottom Layer w0.762: U6.32 82.254,48.98 84.796,51.522 U5.6
RC522_RST: U5.2 U6.29 | length 12.8
  Bottom Layer w0.762: U6.29 76.007,41.441 88.565,41.441 U5.2
RC522_SCK: U5.7 U6.30 | length 27
  Bottom Layer w0.762: U6.30 83.778,43.9 85.232,45.354 90.566,45.354 91.694,46.482 91.694,53.34 91.012,54.022 U5.7
RC522_SS: U5.8 U6.33 | length 14.8
  Bottom Layer w0.762: U6.33 80.476,51.52 85.478,56.522 U5.8
SCL1: LCD1.4 U6.14 | length 11.8
  Bottom Layer w1.016: LCD1.4 48.869,36.395 60.379,36.395 U6.14
SDA1: LCD1.3 U6.15 | length 11.8
  Bottom Layer w1.016: LCD1.3 59.734,33.996 59.948,33.782 U6.15
STM32_RX1: U4.3 U6.7 | length 11.4
  Bottom Layer w1.016: U4.3 49.042,54.082 60.432,54.082 U6.7
STM32_RX2: Debug1.1 SW2.2 U3.2 | length 12.7
  Bottom Layer w1.016: U3.2 88.89,10.932 88.89,17.77 Debug1.1 SW2.2
STM32_TX1: U4.4 U6.6 | length 11.5
  Bottom Layer w1.016: U4.4 49.062,56.602 60.412,56.602 U6.6
STM32_TX2: Debug1.2 SW2.1 U3.3 | length 12.7
  Bottom Layer w1.016: SW2.1 Debug1.2 86.37,17.77 86.37,10.932 U3.3
pads on no net: DC1.3 relay1.2 relay2.2 relay3.2 relay4.2 U5.4 U6.11 U6.12 U6.13 U6.16 U6.17 U6.18 U6.21 U6.22 U6.25 U6.26 U6.34 U6.35 U6.38

## Other copper
Bottom Layer:
  region net GND: 22.86,87.884 28.956,87.884 28.956,68.58 37.592,68.58 37.592,51.308 38.1,50.8 49.784,50.8 49.784,52.324 44.704,52.324 44.704,72.136 41.148,75.692 35.56,75.692 35.56,90.932 22.86,90.932
  region net 3V3: 11.176,25.4 38.1,25.4 38.1,10.16 11.176,10.16
  region net 5V: 28.956,39.624 28.956,28.956 44.704,28.956 44.704,30.48 49.784,30.48 49.784,32.512 36.068,32.512 36.068,39.624
  region net 5V: 10.16,42.164 22.86,42.164 22.86,52.832 16.764,52.832 16.764,54.356 36.576,54.356 36.576,50.292 50.292,50.292 50.292,47.752 36.068,47.752 36.068,39.624 10.16,39.624
  region: 16.764,57.912 23.876,57.912 23.876,67.564 36.068,67.564 36.068,56.896 35.56,56.388 16.764,56.388
  region: 10.16,80.772 16.256,80.772 16.256,75.184 10.16,75.184
  region: 13.208,87.376 22.352,87.376 22.352,73.152 17.78,73.152 17.78,81.28 13.208,81.28
  region net 12V: 10.16,72.136 23.182,72.136 23.368,72.322 23.368,87.376 27.94,87.376 27.94,68.58 22.86,68.58 22.86,58.42 16.764,58.42 16.764,60.96 17.78,60.96 17.78,68.58 10.16,68.58
  region net GND: 22.86,96.52 9.144,96.52 9.144,90.424 0.508,90.424 0.508,30.48 17.272,30.48 17.272,27.94 25.908,27.94 25.908,38.1 9.144,38.1 9.144,43.18 21.336,43.18 21.336,52.324 15.24,52.324 15.24,67.056 9.144,67.056 9.144,81.28 12.7,81.28 12.7,87.884 22.86,87.884

## Silkscreen, mask and mechanical layers (free items; w line width, h text height)
Drill Drawing:
  lines w0.508: 0,97.409 149.987,97.409 149.987,0 0,0 0,97.536

## Dimensions
0,97.409 to 149.987,97.409 on Mechanical 1
0,0 to 0,97.409 on Mechanical 1

## Text inside footprints (layer, text, board x,y; h text height)
SW2: Top Overlay "2" at 89.23,24.932 h0.8 r90; Top Overlay "1" at 86.63,25.132 h0.8 r90; Top Overlay "ON" at 85.53,29.132 h0.8 r90
U1: Bottom Overlay "5" at 16.061,51.283 h1 r90
U2: Mechanical 1 "3" at 29.432,30.224 h0.8 r180; Mechanical 1 "2" at 27.182,30.224 h0.8 r180; Mechanical 1 "1" at 25.032,30.224 h0.8 r180